# Allegro board 6089-103-RevA_73.brd (continued)
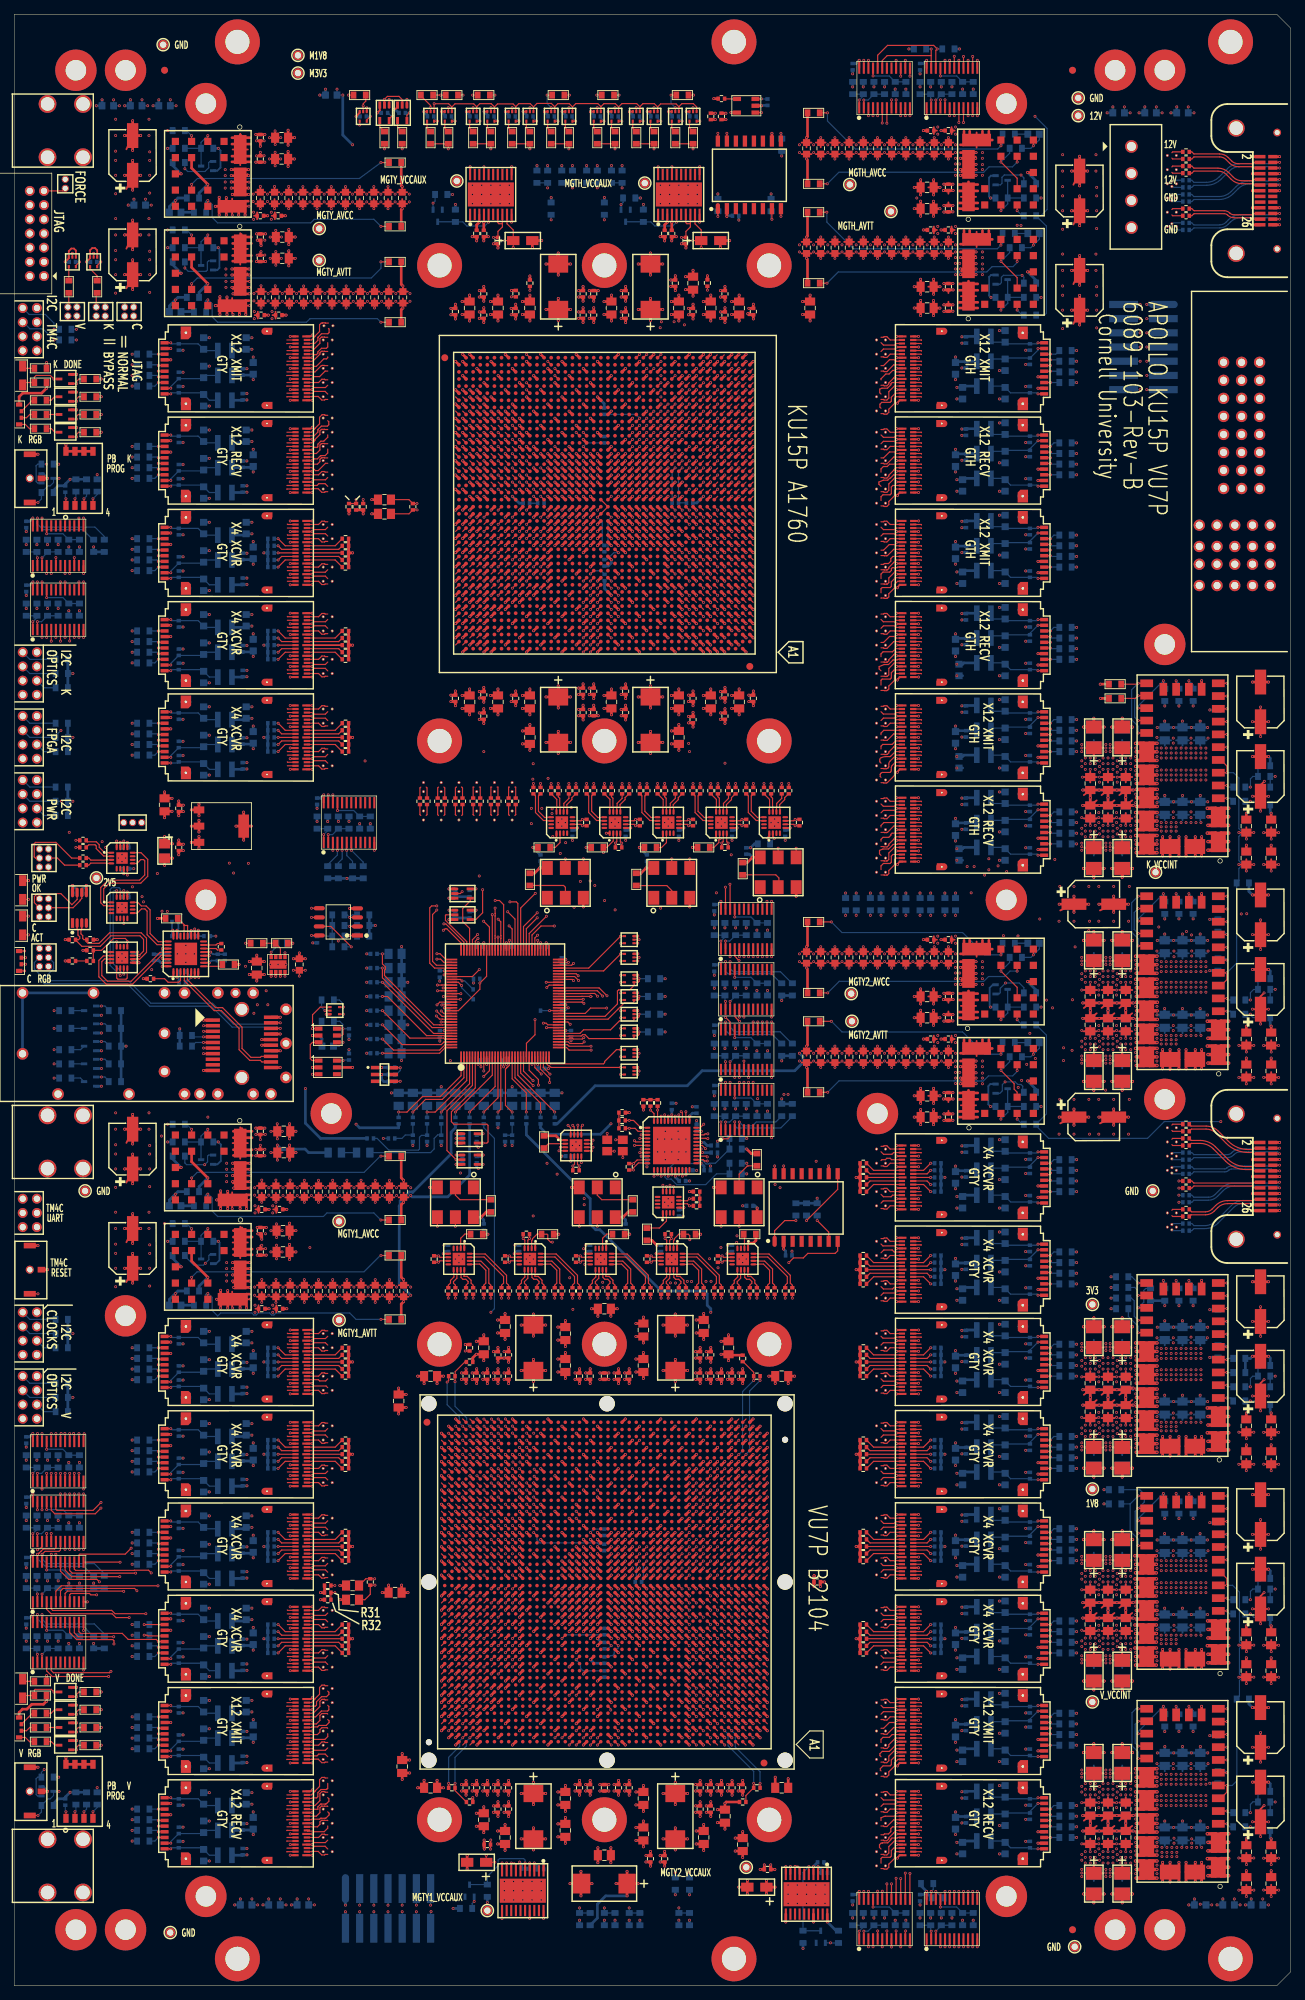
[diagram p0: board, top side]
## Routing (per net, layer and track width the routed paths; a pad name or vN(x,y) marks a point on that pad's centre or on a via; arc(x,y) is an arc through that point) (continued)
121.56,209.28 ; VA76.4 121.15,209.09 ; 162.56,257.52 VA137.4 ; VA137.4 162.15,257.71 ; VA137.4 162.24,257.58 ; VA137.4 162.18,257.9 ; VA137.4 162.24,258.22 ; VA137.4 162.38,257.49 ; VA137.4 162.56,258.28 ; VA137.4 162.15,258.09 ; 162.15,253.71 VA139.4 ; VA139.4 162.24,253.58 ; VA139.4 162.56,254.28 ; VA139.4 162.56,253.52 ; VA139.4 162.15,254.09 ; VA139.4 162.24,254.22 ; VA139.4 162.38,253.49 ; VA139.4 162.18,253.9 ; PM23.1 150.38,5.5 ; PM23.1 149.5,6.38 ; PM23.1 149.5,4.62 ; PM23.1 150.17,4.83 ; PM23.1 148.62,5.5 ; PM23.1 148.83,6.17 ; PM23.1 150.17,6.17 ; PM23.1 148.83,4.83 ; VA127.4 121.56,36.28 ; VA127.4 121.15,36.09 ; VA127.4 121.15,35.71 ; VA127.4 121.18,35.9 ; VA127.4 121.56,35.52 ; VA127.4 121.24,35.58 ; VA127.4 121.24,36.22 ; VA127.4 121.38,35.49 ; 122.83,83.52 VA112.3 ; VA112.3 123.16,84.22 ; VA112.3 123.22,83.9 ; VA112.3 122.83,84.28 ; VA112.3 123.02,84.31 ; VA112.3 123.16,83.58 ; VA112.3 123.25,84.09 ; VA112.3 123.25,83.71 ; VA38.3 45.16,47.22 ; VA38.3 45.25,46.71 ; VA38.3 44.84,46.52 ; VA38.3 45.25,47.09 ; VA38.3 45.02,47.31 ; VA38.3 45.22,46.9 ; VA38.3 44.84,47.28 ; VA38.3 45.16,46.58 ; U27.G1 24.93,66.18 ; U27.G1 24.21,67.84 ; U27.G1 23.49,66.18 ; U27.G1 24.93,67.62 ; U27.G1 23.49,67.62 ; U27.G1 24.21,65.96 ; U27.G1 23.81,65.97 ; U27.G1 25.15,66.9 ; U111.G1 142.91,96.62 ; U111.G1 142.19,94.96 ; U111.G1 142.19,96.84 ; U111.G1 142.91,95.18 ; U111.G1 141.47,96.62 ; U111.G1 141.47,95.18 ; U111.G1 141.79,94.97 ; U111.G1 141.25,95.9 ; 121.18,225.9 VA68.4 ; VA68.4 121.15,225.71 ; VA68.4 121.56,226.28 ; VA68.4 121.15,226.09 ; VA68.4 121.24,225.58 ; VA68.4 121.24,226.22 ; VA68.4 121.38,225.49 ; VA68.4 121.56,225.52 ; 43.24,47.22 43.56,46.9 ; 43.56,46.9 43.56,47.28 ; 43.56,46.9 43.38,46.49 ; 43.56,46.9 43.15,46.71 ; 43.56,46.9 43.18,46.9 ; 43.56,46.9 43.56,46.52 ; 43.56,46.9 43.24,46.58 ; 43.56,46.9 43.15,47.09 ; U20.G1 25.15,232.9 ; U20.G1 23.81,231.97 ; U20.G1 23.49,232.18 ; U20.G1 24.21,231.96 ; U20.G1 24.21,233.84 ; U20.G1 24.93,233.62 ; U20.G1 24.93,232.18 ; U20.G1 23.49,233.62 ; 163.84,251.52 163.84,251.9 ; 163.84,251.9 164.16,252.22 ; 163.84,251.9 163.84,252.28 ; 163.84,251.9 164.25,251.71 ; 163.84,251.9 164.02,252.31 ; 163.84,251.9 164.22,251.9 ; 163.84,251.9 164.25,252.09 ; 163.84,251.9 164.16,251.58 ; VA61.4 68.11,169.72 ; VA61.4 68.08,169.53 ; VA61.4 68.02,169.86 ; VA61.4 67.89,169.95 ; VA61.4 67.29,169.72 ; VA61.4 67.38,169.86 ; VA61.4 67.32,169.53 ; VA61.4 67.7,169.92 ; J5.8 3.2,164.78 ; J5.8 2.53,163.23 ; J5.8 3.2,163.02 ; J5.8 2.53,164.57 ; J5.8 3.87,163.23 ; J5.8 3.87,164.57 ; J5.8 4.08,163.9 ; J5.8 2.32,163.9 ; VA134.3 123.25,21.09 ; VA134.3 123.25,20.71 ; VA134.3 123.02,21.31 ; VA134.3 122.83,21.28 ; VA134.3 123.16,20.58 ; VA134.3 122.83,20.52 ; VA134.3 123.22,20.9 ; VA134.3 123.16,21.22 ; VA1.4 45.02,232.31 ; VA1.4 45.22,231.9 ; VA1.4 44.84,232.28 ; VA1.4 45.25,232.09 ; VA1.4 45.16,231.58 ; VA1.4 45.25,231.71 ; VA1.4 45.16,232.22 ; VA1.4 44.84,231.52 ; 163.84,249.9 164.25,250.09 ; 163.84,249.9 163.84,249.52 ; 163.84,249.9 164.16,250.22 ; 163.84,249.9 164.16,249.58 ; 163.84,249.9 164.22,249.9 ; 163.84,249.9 164.02,250.31 ; 163.84,249.9 163.84,250.28 ; 163.84,249.9 164.25,249.71 ; 121.24,59.58 VA119.4 ; VA119.4 121.56,59.52 ; VA119.4 121.18,59.9 ; VA119.4 121.15,59.71 ; VA119.4 121.56,60.28 ; VA119.4 121.24,60.22 ; VA119.4 121.15,60.09 ; VA119.4 121.38,59.49 ; VA74.3 123.22,212.9 ; VA74.3 123.16,212.58 ; VA74.3 123.16,213.22 ; VA74.3 123.25,212.71 ; VA74.3 122.83,212.52 ; VA74.3 123.02,213.31 ; VA74.3 123.25,213.09 ; VA74.3 122.83,213.28 ; 62.7,163.88 62.7,164.26 ; 62.7,164.26 62.38,163.94 ; 62.7,164.26 63.02,163.94 ; 62.7,164.26 63.11,164.08 ; 62.7,164.26 62.51,163.85 ; 62.7,164.26 62.29,164.08 ; 62.7,164.26 62.32,164.26 ; 62.7,164.26 63.08,164.26 ; U115.G2 142.91,53.18 ; U115.G2 141.79,52.97 ; U115.G2 142.19,52.96 ; U115.G2 142.19,54.84 ; U115.G2 141.47,54.62 ; U115.G2 141.25,53.9 ; U115.G2 142.91,54.62 ; U115.G2 141.47,53.18 ; 121.38,22.49 VA133.4 ; VA133.4 121.24,23.22 ; VA133.4 121.56,23.28 ; VA133.4 121.15,23.09 ; VA133.4 121.15,22.71 ; VA133.4 121.24,22.58 ; VA133.4 121.18,22.9 ; VA133.4 121.56,22.52 ; VA55.4 60.58,169.53 ; VA55.4 59.82,169.53 ; VA55.4 60.2,169.92 ; VA55.4 59.79,169.72 ; VA55.4 60.61,169.72 ; VA55.4 60.52,169.86 ; VA55.4 60.39,169.95 ; VA55.4 59.88,169.86 ; VA12.4 45.25,206.09 ; VA12.4 45.22,205.9 ; VA12.4 45.02,206.31 ; VA12.4 45.25,205.71 ; VA12.4 45.16,205.58 ; VA12.4 45.16,206.22 ; VA12.4 44.84,206.28 ; VA12.4 44.84,205.52 ; VA53.4 58.08,169.53 ; VA53.4 57.7,169.92 ; VA53.4 57.89,169.95 ; VA53.4 58.11,169.72 ; VA53.4 57.32,169.53 ; VA53.4 57.38,169.86 ; VA53.4 58.02,169.86 ; VA53.4 57.29,169.72 ; VA3.4 44.84,228.28 ; VA3.4 45.25,227.71 ; VA3.4 45.16,228.22 ; VA3.4 45.25,228.09 ; VA3.4 45.02,228.31 ; VA3.4 44.84,227.52 ; VA3.4 45.22,227.9 ; VA3.4 45.16,227.58 ; J6.1 1.2,111.78 ; J6.1 1.87,111.57 ; J6.1 2.08,110.9 ; J6.1 2.07,111.28 ; J6.1 2.07,110.52 ; J6.1 1.87,110.23 ; J6.1 1.58,111.77 ; J6.1 1.2,110.02 ; 23.49,69.18 U26.G2 ; U26.G2 23.49,70.62 ; U26.G2 24.93,70.62 ; U26.G2 24.93,69.18 ; U26.G2 25.15,69.9 ; U26.G2 24.21,68.96 ; U26.G2 24.21,70.84 ; U26.G2 23.81,68.97 ; 43.24,204.22 43.56,203.9 ; 43.56,203.9 43.38,203.49 ; 43.56,203.9 43.18,203.9 ; 43.56,203.9 43.56,203.52 ; 43.56,203.9 43.24,203.58 ; 43.56,203.9 43.15,204.09 ; 43.56,203.9 43.56,204.28 ; 43.56,203.9 43.15,203.71 ; 43.38,44.49 43.56,44.9 ; 43.56,44.9 43.18,44.9 ; 43.56,44.9 43.56,44.52 ; 43.56,44.9 43.56,45.28 ; 43.56,44.9 43.15,45.09 ; 43.56,44.9 43.24,45.22 ; 43.56,44.9 43.24,44.58 ; 43.56,44.9 43.15,44.71 ; VA62.4 68.02,165.86 ; VA62.4 67.29,165.72 ; VA62.4 67.89,165.95 ; VA62.4 67.38,165.86 ; VA62.4 67.32,165.53 ; VA62.4 68.08,165.53 ; VA62.4 68.11,165.72 ; VA62.4 67.7,165.92 ; J4.7 2.07,173.28 ; J4.7 1.58,173.77 ; J4.7 1.2,172.02 ; J4.7 1.87,172.23 ; J4.7 2.08,172.9 ; J4.7 1.87,173.57 ; J4.7 1.2,173.78 ; J4.7 2.07,172.52 ; 43.38,72.49 43.56,72.9 ; 43.56,72.9 43.24,73.22 ; 43.56,72.9 43.18,72.9 ; 43.56,72.9 43.24,72.58 ; 43.56,72.9 43.15,73.09 ; 43.56,72.9 43.56,72.52 ; 43.56,72.9 43.56,73.28 ; 43.56,72.9 43.15,72.71 ; 43.56,89.52 43.56,89.9 ; 43.56,89.9 43.24,90.22 ; 43.56,89.9 43.38,89.49 ; 43.56,89.9 43.24,89.58 ; 43.56,89.9 43.56,90.28 ; 43.56,89.9 43.15,90.09 ; 43.56,89.9 43.15,89.71 ; 43.56,89.9 43.18,89.9 ; 121.38,156.49 VA100.4 ; VA100.4 121.15,156.71 ; VA100.4 121.24,157.22 ; VA100.4 121.56,156.52 ; VA100.4 121.56,157.28 ; VA100.4 121.15,157.09 ; VA100.4 121.18,156.9 ; VA100.4 121.24,156.58 ; 43.24,60.22 43.56,59.9 ; 43.56,59.9 43.38,59.49 ; 43.56,59.9 43.15,60.09 ; 43.56,59.9 43.18,59.9 ; 43.56,59.9 43.56,60.28 ; 43.56,59.9 43.56,59.52 ; 43.56,59.9 43.15,59.71 ; 43.56,59.9 43.24,59.58 ; J8.7 1.87,79.23 ; J8.7 2.08,79.9 ; J8.7 1.2,79.02 ; J8.7 2.07,80.28 ; J8.7 2.07,79.52 ; J8.7 1.2,80.78 ; J8.7 1.87,80.57 ; J8.7 1.58,80.77 ; 43.24,180.22 43.56,179.9 ; 43.56,179.9 43.24,179.58 ; 43.56,179.9 43.56,179.52 ; 43.56,179.9 43.15,180.09 ; 43.56,179.9 43.38,179.49 ; 43.56,179.9 43.15,179.71 ; 43.56,179.9 43.18,179.9 ; 43.56,179.9 43.56,180.28 ; 157.5,250.48 J17.3 ; J17.3 157.5,252.61 ; J17.3 156.43,251.54 ; J17.3 156.69,250.74 ; J17.3 156.69,252.35 ; J17.3 158.31,250.74 ; J17.3 158.57,251.54 ; J17.3 158.31,252.35 ; PM22.1 150.67,266.67 ; PM22.1 150.88,266 ; PM22.1 149.12,266 ; PM22.1 150,266.88 ; PM22.1 149.33,266.67 ; PM22.1 150.67,265.33 ; PM22.1 149.33,265.33 ; PM22.1 150,265.12 ; 121.18,76.9 VA114.3 ; VA114.3 121.15,76.71 ; VA114.3 121.15,77.09 ; VA114.3 121.38,76.49 ; VA114.3 121.56,76.52 ; VA114.3 121.24,77.22 ; VA114.3 121.24,76.58 ; VA114.3 121.56,77.28 ; 64.82,168.26 65.2,168.26 ; 65.2,168.26 65.52,167.94 ; 65.2,168.26 64.88,167.94 ; 65.2,168.26 65.01,167.85 ; 65.2,168.26 65.61,168.08 ; 65.2,168.26 64.79,168.08 ; 65.2,168.26 65.2,167.88 ; 65.2,168.26 65.58,168.26 ; VA29.4 45.25,77.09 ; VA29.4 45.22,76.9 ; VA29.4 44.84,76.52 ; VA29.4 45.16,76.58 ; VA29.4 45.02,77.31 ; VA29.4 45.16,77.22 ; VA29.4 44.84,77.28 ; VA29.4 45.25,76.71 ; VA101.4 123.25,117.71 ; VA101.4 123.25,118.09 ; VA101.4 123.16,117.58 ; VA101.4 123.22,117.9 ; VA101.4 122.83,117.52 ; VA101.4 123.02,118.31 ; VA101.4 122.83,118.28 ; VA101.4 123.16,118.22 ; 141.47,233.62 U104.G2 ; U104.G2 142.19,231.96 ; U104.G2 141.79,231.97 ; U104.G2 142.91,232.18 ; U104.G2 142.19,233.84 ; U104.G2 142.91,233.62 ; U104.G2 141.25,232.9 ; U104.G2 141.47,232.18 ; VA121.4 123.25,52.71 ; VA121.4 122.83,53.28 ; VA121.4 123.16,52.58 ; VA121.4 123.25,53.09 ; VA121.4 123.22,52.9 ; VA121.4 122.83,52.52 ; VA121.4 123.16,53.22 ; VA121.4 123.02,53.31 ; 67.51,163.85 67.7,164.26 ; 67.7,164.26 67.32,164.26 ; 67.7,164.26 67.29,164.08 ; 67.7,164.26 68.11,164.08 ; 67.7,164.26 67.7,163.88 ; 67.7,164.26 67.38,163.94 ; 67.7,164.26 68.02,163.94 ; 67.7,164.26 68.08,164.26 ; 59.79,165.72 VA56.4 ; VA56.4 60.52,165.86 ; VA56.4 59.88,165.86 ; VA56.4 60.39,165.95 ; VA56.4 60.58,165.53 ; VA56.4 60.2,165.92 ; VA56.4 59.82,165.53 ; VA56.4 60.61,165.72 ; U29.G2 24.93,30.18 ; U29.G2 24.21,31.84 ; U29.G2 23.49,30.18 ; U29.G2 24.93,31.62 ; U29.G2 23.49,31.62 ; U29.G2 23.81,29.97 ; U29.G2 25.15,30.9 ; U29.G2 24.21,29.96 ; VA94.3 123.25,170.09 ; VA94.3 123.25,169.71 ; VA94.3 122.83,170.28 ; VA94.3 122.83,169.52 ; VA94.3 123.16,169.58 ; VA94.3 123.16,170.22 ; VA94.3 123.02,170.31 ; VA94.3 123.22,169.9 ; VA16.4 45.02,193.31 ; VA16.4 45.22,192.9 ; VA16.4 45.16,192.58 ; VA16.4 45.16,193.22 ; VA16.4 44.84,193.28 ; VA16.4 44.84,192.52 ; VA16.4 45.25,193.09 ; VA16.4 45.25,192.71 ; 43.18,173.9 43.56,173.9 ; 43.56,173.9 43.15,173.71 ; 43.56,173.9 43.24,174.22 ; 43.56,173.9 43.56,174.28 ; 43.56,173.9 43.15,174.09 ; 43.56,173.9 43.24,173.58 ; 43.56,173.9 43.38,173.49 ; 43.56,173.9 43.56,173.52 ; 122.83,182.52 VA88.3 ; VA88.3 123.25,182.71 ; VA88.3 123.02,183.31 ; VA88.3 123.16,182.58 ; VA88.3 123.22,182.9 ; VA88.3 122.83,183.28 ; VA88.3 123.16,183.22 ; VA88.3 123.25,183.09 ; 121.24,199.58 VA80.4 ; VA80.4 121.18,199.9 ; VA80.4 121.56,200.28 ; VA80.4 121.56,199.52 ; VA80.4 121.38,199.49 ; VA80.4 121.24,200.22 ; VA80.4 121.15,199.71 ; VA80.4 121.15,200.09 ; U116.G1 142.91,31.62 ; U116.G1 142.19,29.96 ; U116.G1 141.25,30.9 ; U116.G1 141.47,31.62 ; U116.G1 141.47,30.18 ; U116.G1 141.79,29.97 ; U116.G1 142.91,30.18 ; U116.G1 142.19,31.84 ; 23.81,52.97 U28.G1 ; U28.G1 24.93,53.18 ; U28.G1 24.21,54.84 ; U28.G1 25.15,53.9 ; U28.G1 23.49,54.62 ; U28.G1 24.21,52.96 ; U28.G1 23.49,53.18 ; U28.G1 24.93,54.62 ; 121.18,173.9 VA92.4 ; VA92.4 121.24,174.22 ; VA92.4 121.24,173.58 ; VA92.4 121.15,173.71 ; VA92.4 121.15,174.09 ; VA92.4 121.56,173.52 ; VA92.4 121.56,174.28 ; VA92.4 121.38,173.49 ; VA51.4 45.22,18.9 ; VA51.4 44.84,18.52 ; VA51.4 45.16,19.22 ; VA51.4 44.84,19.28 ; VA51.4 45.02,19.31 ; VA51.4 45.25,18.71 ; VA51.4 45.25,19.09 ; VA51.4 45.16,18.58 ; 122.83,188.52 VA85.3 ; VA85.3 123.22,188.9 ; VA85.3 123.16,188.58 ; VA85.3 123.16,189.22 ; VA85.3 122.83,189.28 ; VA85.3 123.25,188.71 ; VA85.3 123.02,189.31 ; VA85.3 123.25,189.09 ; 20.33,272.83 PM21.1 ; PM21.1 21.67,274.17 ; PM21.1 21,272.62 ; PM21.1 20.33,274.17 ; PM21.1 21.88,273.5 ; PM21.1 21,274.38 ; PM21.1 21.67,272.83 ; PM21.1 20.12,273.5 ; VA9.4 45.22,214.9 ; VA9.4 45.25,214.71 ; VA9.4 44.84,214.52 ; VA9.4 45.16,214.58 ; VA9.4 45.02,215.31 ; VA9.4 44.84,215.28 ; VA9.4 45.16,215.22 ; VA9.4 45.25,215.09 ; VA13.4 44.84,204.28 ; VA13.4 45.02,204.31 ; VA13.4 45.25,204.09 ; VA13.4 45.22,203.9 ; VA13.4 44.84,203.52 ; VA13.4 45.25,203.71 ; VA13.4 45.16,203.58 ; VA13.4 45.16,204.22 ; 177.07,204.82 P1.P2-2 ; P1.P2-2 176.33,206.54 ; P1.P2-2 176.33,205.06 ; P1.P2-2 177.81,206.54 ; P1.P2-2 176.09,205.8 ; P1.P2-2 178.05,205.8 ; P1.P2-2 177.81,205.06 ; P1.P2-2 177.07,206.78 ; VA77.3 123.22,205.9 ; VA77.3 123.25,205.71 ; VA77.3 122.83,206.28 ; VA77.3 123.16,206.22 ; VA77.3 122.83,205.52 ; VA77.3 123.25,206.09 ; VA77.3 123.02,206.31 ; VA77.3 123.16,205.58 ; 121.15,78.71 VA113.3 ; VA113.3 121.56,79.28 ; VA113.3 121.38,78.49 ; VA113.3 121.24,79.22 ; VA113.3 121.24,78.58 ; VA113.3 121.56,78.52 ; VA113.3 121.18,78.9 ; VA113.3 121.15,79.09 ; VA119.3 123.22,59.9 ; VA119.3 122.83,60.28 ; VA119.3 122.83,59.52 ; VA119.3 123.25,60.09 ; VA119.3 123.16,60.22 ; VA119.3 123.25,59.71 ; VA119.3 123.16,59.58 ; VA119.3 123.02,60.31 ; VA122.4 122.83,51.28 ; VA122.4 123.22,50.9 ; VA122.4 123.25,50.71 ; VA122.4 122.83,50.52 ; VA122.4 123.02,51.31 ; VA122.4 123.16,51.22 ; VA122.4 123.16,50.58 ; VA122.4 123.25,51.09 ; 142.19,107.96 U110.G1 ; U110.G1 142.19,109.84 ; U110.G1 141.79,107.97 ; U110.G1 141.47,108.18 ; U110.G1 142.91,109.62 ; U110.G1 141.47,109.62 ; U110.G1 142.91,108.18 ; U110.G1 141.25,108.9 ; 121.38,171.49 VA93.4 ; VA93.4 121.18,171.9 ; VA93.4 121.15,172.09 ; VA93.4 121.24,171.58 ; VA93.4 121.56,171.52 ; VA93.4 121.56,172.28 ; VA93.4 121.24,172.22 ; VA93.4 121.15,171.71 ; 24.21,169.96 U24.G2 ; U24.G2 24.93,171.62 ; U24.G2 24.93,170.18 ; U24.G2 23.81,169.97 ; U24.G2 23.49,171.62 ; U24.G2 24.21,171.84 ; U24.G2 23.49,170.18 ; U24.G2 25.15,170.9 ; 43.15,28.71 43.56,28.9 ; 43.56,28.9 43.38,28.49 ; 43.56,28.9 43.18,28.9 ; 43.56,28.9 43.24,28.58 ; 43.56,28.9 43.15,29.09 ; 43.56,28.9 43.24,29.22 ; 43.56,28.9 43.56,29.28 ; 43.56,28.9 43.56,28.52 ; 43.15,91.71 43.56,91.9 ; 43.56,91.9 43.38,91.49 ; 43.56,91.9 43.24,92.22 ; 43.56,91.9 43.24,91.58 ; 43.56,91.9 43.56,91.52 ; 43.56,91.9 43.18,91.9 ; 43.56,91.9 43.15,92.09 ; 43.56,91.9 43.56,92.28 ; 162.15,252.09 VA140.4 ; VA140.4 162.15,251.71 ; VA140.4 162.56,251.52 ; VA140.4 162.38,251.49 ; VA140.4 162.56,252.28 ; VA140.4 162.18,251.9 ; VA140.4 162.24,251.58 ; VA140.4 162.24,252.22 ; 2.32,79.9 J8.8 ; J8.8 3.87,79.23 ; J8.8 3.2,79.02 ; J8.8 3.2,80.78 ; J8.8 4.08,79.9 ; J8.8 2.53,80.57 ; J8.8 2.53,79.23 ; J8.8 3.87,80.57 ; J16.1 15.97,163.36 ; J16.1 15.43,164.59 ; J16.1 14.89,163.36 ; J16.1 14.74,163.9 ; J16.1 14.89,164.44 ; J16.1 15.13,163.21 ; J16.1 15.97,164.44 ; J16.1 15.43,163.21 ; VA106.3 121.56,103.28 ; VA106.3 121.56,102.52 ; VA106.3 121.24,102.58 ; VA106.3 121.18,102.9 ; VA106.3 121.38,102.49 ; VA106.3 121.15,103.09 ; VA106.3 121.24,103.22 ; VA106.3 121.15,102.71 ; 121.15,164.71 VA96.4 ; VA96.4 121.56,165.28 ; VA96.4 121.56,164.52 ; VA96.4 121.24,164.58 ; VA96.4 121.15,165.09 ; VA96.4 121.24,165.22 ; VA96.4 121.38,164.49 ; VA96.4 121.18,164.9 ; U28.G2 24.21,44.84 ; U28.G2 24.93,44.62 ; U28.G2 25.15,43.9 ; U28.G2 24.93,43.18 ; U28.G2 23.81,42.97 ; U28.G2 23.49,43.18 ; U28.G2 23.49,44.62 ; U28.G2 24.21,42.96 ; VA46.4 45.22,28.9 ; VA46.4 45.16,29.22 ; VA46.4 45.02,29.31 ; VA46.4 44.84,29.28 ; VA46.4 45.25,28.71 ; VA46.4 44.84,28.52 ; VA46.4 45.16,28.58 ; VA46.4 45.25,29.09 ; 121.15,105.09 VA105.3 ; VA105.3 121.56,105.28 ; VA105.3 121.38,104.49 ; VA105.3 121.24,105.22 ; VA105.3 121.15,104.71 ; VA105.3 121.56,104.52 ; VA105.3 121.24,104.58 ; VA105.3 121.18,104.9 ; VA135.4 121.56,19.28 ; VA135.4 121.56,18.52 ; VA135.4 121.38,18.49 ; VA135.4 121.24,19.22 ; VA135.4 121.15,18.71 ; VA135.4 121.18,18.9 ; VA135.4 121.15,19.09 ; VA135.4 121.24,18.58 ; VA123.3 123.25,46.71 ; VA123.3 123.25,47.09 ; VA123.3 122.83,47.28 ; VA123.3 123.02,47.31 ; VA123.3 123.16,47.22 ; VA123.3 122.83,46.52 ; VA123.3 123.16,46.58 ; VA123.3 123.22,46.9 ; 44.84,33.52 VA44.4 ; VA44.4 45.16,34.22 ; VA44.4 45.22,33.9 ; VA44.4 45.02,34.31 ; VA44.4 45.16,33.58 ; VA44.4 45.25,33.71 ; VA44.4 45.25,34.09 ; VA44.4 44.84,34.28 ; 23.81,16.97 U30.G2 ; U30.G2 24.93,18.62 ; U30.G2 25.15,17.9 ; U30.G2 24.21,18.84 ; U30.G2 24.21,16.96 ; U30.G2 23.49,18.62 ; U30.G2 24.93,17.18 ; U30.G2 23.49,17.18 ; U106.G1 142.91,197.62 ; U106.G1 142.19,197.84 ; U106.G1 142.91,196.18 ; U106.G1 141.79,195.97 ; U106.G1 141.47,196.18 ; U106.G1 141.25,196.9 ; U106.G1 141.47,197.62 ; U106.G1 142.19,195.96 ; 28.71,124.65 U13.28 ; U13.28 28.71,126.65 ; U13.28 29.71,125.65 ; U13.28 27.95,124.89 ; U13.28 29.47,124.89 ; U13.28 27.71,125.65 ; U13.28 27.95,126.41 ; U13.28 29.47,126.41 ; 121.56,158.52 VA99.4 ; VA99.4 121.56,159.28 ; VA99.4 121.18,158.9 ; VA99.4 121.15,159.09 ; VA99.4 121.38,158.49 ; VA99.4 121.24,158.58 ; VA99.4 121.15,158.71 ; VA99.4 121.24,159.22 ; 67.7,168.26 68.11,168.08 ; 67.7,168.26 67.38,167.94 ; 67.7,168.26 67.7,167.88 ; 67.7,168.26 68.02,167.94 ; 67.7,168.26 67.32,168.26 ; 67.7,168.26 67.29,168.08 ; 67.7,168.26 67.51,167.85 ; 67.7,168.26 68.08,168.26 ; J1.9 4.2,249.78 ; J1.9 3.53,249.57 ; J1.9 3.53,248.23 ; J1.9 5.08,248.9 ; J1.9 4.87,249.57 ; J1.9 4.2,248.02 ; J1.9 3.32,248.9 ; J1.9 4.87,248.23 ; VA34.3 45.16,60.22 ; VA34.3 45.22,59.9 ; VA34.3 45.25,60.09 ; VA34.3 45.25,59.71 ; VA34.3 45.02,60.31 ; VA34.3 44.84,59.52 ; VA34.3 45.16,59.58 ; VA34.3 44.84,60.28 ; 122.83,214.52 VA73.3 ; VA73.3 123.25,215.09 ; VA73.3 122.83,215.28 ; VA73.3 123.16,215.22 ; VA73.3 123.02,215.31 ; VA73.3 123.16,214.58 ; VA73.3 123.22,214.9 ; VA73.3 123.25,214.71 ; 162.15,114.71 VA146.4 ; VA146.4 162.24,114.58 ; VA146.4 162.38,114.49 ; VA146.4 162.24,115.22 ; VA146.4 162.15,115.09 ; VA146.4 162.56,115.28 ; VA146.4 162.56,114.52 ; VA146.4 162.18,114.9 ; 1.2,163.02 J5.7 ; J5.7 1.58,164.77 ; J5.7 2.07,164.28 ; J5.7 1.2,164.78 ; J5.7 1.87,163.23 ; J5.7 2.08,163.9 ; J5.7 2.07,163.52 ; J5.7 1.87,164.57 ; 70.01,163.85 70.2,164.26 ; 70.2,164.26 70.2,163.88 ; 70.2,164.26 69.88,163.94 ; 70.2,164.26 70.52,163.94 ; 70.2,164.26 69.82,164.26 ; 70.2,164.26 70.61,164.08 ; 70.2,164.26 70.58,164.26 ; 70.2,164.26 69.79,164.08 ; 121.24,212.58 VA74.4 ; VA74.4 121.56,212.52 ; VA74.4 121.38,212.49 ; VA74.4 121.15,213.09 ; VA74.4 121.15,212.71 ; VA74.4 121.24,213.22 ; VA74.4 121.56,213.28 ; VA74.4 121.18,212.9 ; VA35.3 44.84,58.28 ; VA35.3 45.16,58.22 ; VA35.3 45.22,57.9 ; VA35.3 45.02,58.31 ; VA35.3 45.25,58.09 ; VA35.3 44.84,57.52 ; VA35.3 45.16,57.58 ; VA35.3 45.25,57.71 ; 121.24,183.22 VA88.4 ; VA88.4 121.24,182.58 ; VA88.4 121.56,182.52 ; VA88.4 121.15,182.71 ; VA88.4 121.18,182.9 ; VA88.4 121.38,182.49 ; VA88.4 121.15,183.09 ; VA88.4 121.56,183.28 ; 121.18,57.9 VA120.4 ; VA120.4 121.15,58.09 ; VA120.4 121.56,58.28 ; VA120.4 121.15,57.71 ; VA120.4 121.24,58.22 ; VA120.4 121.56,57.52 ; VA120.4 121.24,57.58 ; VA120.4 121.38,57.49 ; 43.38,171.49 43.56,171.9 ; 43.56,171.9 43.18,171.9 ; 43.56,171.9 43.15,172.09 ; 43.56,171.9 43.56,172.28 ; 43.56,171.9 43.24,172.22 ; 43.56,171.9 43.15,171.71 ; 43.56,171.9 43.24,171.58 ; 43.56,171.9 43.56,171.52 ; VA128.3 122.83,34.28 ; VA128.3 123.16,34.22 ; VA128.3 123.25,33.71 ; VA128.3 123.02,34.31 ; VA128.3 123.16,33.58 ; VA128.3 123.25,34.09 ; VA128.3 122.83,33.52 ; VA128.3 123.22,33.9 ; 121.56,203.52 VA78.4 ; VA78.4 121.15,204.09 ; VA78.4 121.24,203.58 ; VA78.4 121.15,203.71 ; VA78.4 121.56,204.28 ; VA78.4 121.18,203.9 ; VA78.4 121.24,204.22 ; VA78.4 121.38,203.49 ; 121.15,45.09 VA124.4 ; VA124.4 121.56,44.52 ; VA124.4 121.15,44.71 ; VA124.4 121.38,44.49 ; VA124.4 121.24,45.22 ; VA124.4 121.24,44.58 ; VA124.4 121.56,45.28 ; VA124.4 121.18,44.9 ; VA118.4 122.83,64.28 ; VA118.4 122.83,63.52 ; VA118.4 123.16,64.22 ; VA118.4 123.02,64.31 ; VA118.4 123.25,64.09 ; VA118.4 123.25,63.71 ; VA118.4 123.22,63.9 ; VA118.4 123.16,63.58 ; 163.84,120.9 164.16,121.22 ; 163.84,120.9 164.25,120.71 ; 163.84,120.9 163.84,120.52 ; 163.84,120.9 164.25,121.09 ; 163.84,120.9 163.84,121.28 ; 163.84,120.9 164.02,121.31 ; 163.84,120.9 164.16,120.58 ; 163.84,120.9 164.22,120.9 ; 121.38,117.49 VA101.3 ; VA101.3 121.18,117.9 ; VA101.3 121.15,117.71 ; VA101.3 121.15,118.09 ; VA101.3 121.56,117.52 ; VA101.3 121.24,118.22 ; VA101.3 121.24,117.58 ; VA101.3 121.56,118.28 ; 43.18,223.9 43.56,223.9 ; 43.56,223.9 43.56,223.52 ; 43.56,223.9 43.56,224.28 ; 43.56,223.9 43.38,223.49 ; 43.56,223.9 43.15,224.09 ; 43.56,223.9 43.24,223.58 ; 43.56,223.9 43.24,224.22 ; 43.56,223.9 43.15,223.71 ; 43.66,233.52 VA52.3 ; VA52.3 43.34,233.58 ; VA52.3 43.25,233.71 ; VA52.3 43.48,233.49 ; VA52.3 43.34,234.22 ; VA52.3 43.28,233.9 ; VA52.3 43.25,234.09 ; VA52.3 43.66,234.28 ; 121.15,224.09 VA69.4 ; VA69.4 121.24,223.58 ; VA69.4 121.38,223.49 ; VA69.4 121.24,224.22 ; VA69.4 121.56,224.28 ; VA69.4 121.15,223.71 ; VA69.4 121.18,223.9 ; VA69.4 121.56,223.52 ; VA92.3 123.25,174.09 ; VA92.3 122.83,174.28 ; VA92.3 123.02,174.31 ; VA92.3 123.25,173.71 ; VA92.3 123.16,173.58 ; VA92.3 123.22,173.9 ; VA92.3 123.16,174.22 ; VA92.3 122.83,173.52 ; 44.84,22.52 